# Altium PCB Power_Rail_Probe.PcbDoc (continued)
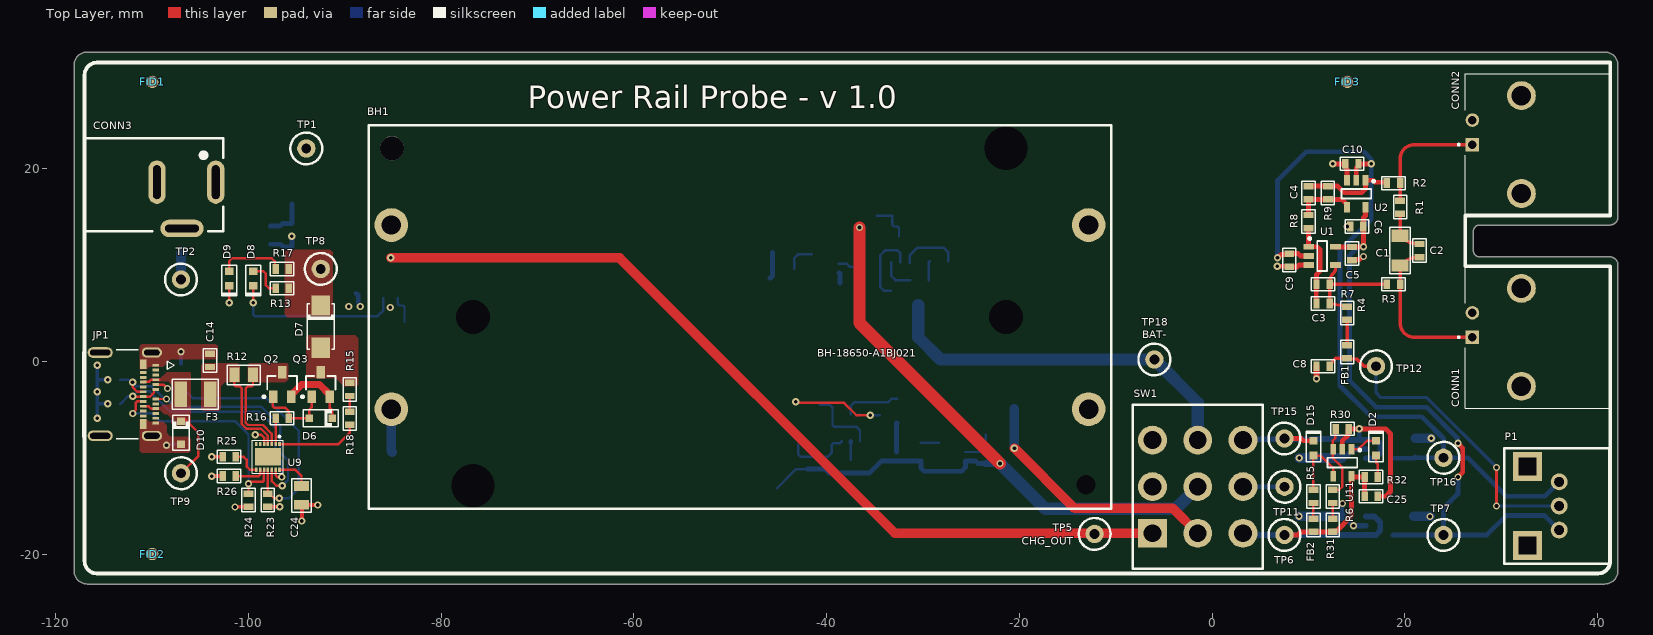
[diagram p0: Top Layer view]
## Part data
BH1: "2 Cell 18650 Battery Holder", 05_Digikey Part Number="Not Available", 06_Manufacturer=MYOUNG, 01_Componente=IC, 02_Montaje=THM, 03_Encapsulado=NA, 04_Manufacturer Part Number=BH-18650-A1BJ021, 07_Funcion="Battery Holder", ComponentLink1Description=01_Datasheet, ComponentLink1URL=https://www.lcsc.com/datasheet/C20606804.pdf?spm=wm.sxq.inf.ggs&lcsc_vid=QgdWXldRRVMIVlxRFlhXBFZfRldXX1JXQVQPBlEDEwUxVlNRQ1BfVVJRQ1VZVDsOAxUeFF5JWBYZEEoBGA4JCwFIFA4DSA%3D%3D, ComponentLink2Description=02_Digikey, ComponentLink2URL="Not Available", ComponentLink3Description=03_LCSC, ComponentLink3URL=https://www.lcsc.com/product-detail/C20606804.html
C1: library part "Capacitor NP", "0.1 µF ±2% 50V Ceramic Capacitor C0G, NP0 1206 (3216 Metric)", 04_Manufacturer Part Number=GRM3195C1H104GA05D, 05_Digikey Part Number=490-GRM3195C1H104GA05DCT-ND, 06_Manufacturer=YAGEO, 08_Tolerancia=2%, 10_Dielectrico=C0G, 01_Componente="Capacitor cerámico", 02_Montaje=SMD, 03_Encapsulado=1206, 07_Valor=100nF, 09_Tensión de trabajo=100V, ComponentLink1Description=A_Datasheet, ComponentLink1URL=https://search.murata.co.jp/Ceramy/image/img/A01X/G101/ENG/GRM3195C1H104GA05-01A.pdf, ComponentLink2Description=B_Digikey, ComponentLink2URL=https://www.digikey.com/en/products/detail/murata-electronics/GRM3195C1H104GA05D/13531987
C2 C3 C4 C5 C6 C8 C9 C10 C11 C12 C13 C14 C19 C23 C25: library part "Capacitor NP", "0.1 µF ±10% 25V Ceramic Capacitor X7R 0603 (1608 Metric)", 04_Manufacturer Part Number=CC0603KRX7R8BB104, 05_Digikey Part Number=311-1341-1-ND, 06_Manufacturer=YAGEO, 08_Tolerancia=10%, 10_Dielectrico=X7R, 01_Componente="Capacitor cerámico", 02_Montaje=SMD, 03_Encapsulado=0603, 07_Valor=100nF, 09_Tensión de trabajo=25V, ComponentLink1Description=A_Datasheet, ComponentLink2Description=B_Digikey
  C4: ComponentLink1URL=https://yageogroup.com/content/datasheet/asset/file/UPY-GPHC_X7R_6_3V-TO-250V, ComponentLink2URL=https://www.digikey.com/en/products/detail/yageo/CC0603KRX7R8BB104/2103079?s=N4IgTCBcDaIMJwAwDZEGYDSAlAGgdiwA4AhYgRkQBYQBdAXyA
  C5: ComponentLink1URL=https://yageogroup.com/content/datasheet/asset/file/UPY-GPHC_X7R_6_3V-TO-250V, ComponentLink2URL=https://www.digikey.com/en/products/detail/yageo/CC0603KRX7R8BB104/2103079
C15 C16 C17 C18 C20 C21 C22 C24: library part "Capacitor NP", "2.2 µF ±10% 25V Ceramic Capacitor X7R 0805 (2012 Metric)", 04_Manufacturer Part Number=GRM21BR71E225KE11K, 05_Digikey Part Number=490-GRM21BR71E225KE11KCT-ND, 06_Manufacturer="Murata Electronics", 08_Tolerancia=10%, 10_Dielectrico=X7R, 01_Componente="Capacitor cerámico", 02_Montaje=SMD, 03_Encapsulado=0805, 07_Valor=2u2, 09_Tensión de trabajo=25V, ComponentLink1Description=A_Datasheet, ComponentLink2Description=B_Digikey
  C18 C24: ComponentLink1URL=https://search.murata.co.jp/Ceramy/image/img/A01X/G101/ENG/GRM21BR71E225KE11-01A.pdf, ComponentLink2URL=https://www.digikey.com/en/products/detail/murata-electronics/GRM21BR71E225KE11K/10694460
CONN1 CONN2: library part "Conector BNC", "BNC Connector Jack, Female Socket 50 Ohms Panel Mount, Through Hole, Right Angle Solder", 04_Manufacturer Part Number=CONBNC002, 05_Digikey Part Number=343-CONBNC002-ND, 06_Manufacturer="TE Connectivity Linx", 01_Componente="Conector BNC", 02_Montaje=SMD, 03_Encapsulado=BNC, 07_Contactos=2, 08_Impedancia="50 Ohm", ComponentLink1Description=A_Datasheet, ComponentLink2Description=B_Digikey
  CONN1: ComponentLink1URL=https://www.te.com/commerce/DocumentDelivery/DDEController?Action=srchrtrv&DocNm=CONBNC002&DocType=Data+Sheet&DocLang=English&DocFormat=pdf&PartCntxt=CONBNC002, ComponentLink2URL=https://www.digikey.com/en/products/detail/te-connectivity-linx/CONBNC002/16013841
CONN3: library part "DC JACK", "DC JACK", 04_Manufacturer Part Number=ADC-002-1, 05_Digikey Part Number=2057-ADC-002-1-ND, 06_Manufacturer="Adam Tech", 01_Componente="DC JACK", 02_Montaje=THT, 03_Encapsulado=-, 07_Contactos=3, 08_Paso=-, ComponentLink1Description=A_Datasheet, ComponentLink1URL=https://app.adam-tech.com/products/download/data_sheet/203725/adc-002-x-data-sheet.pdf, ComponentLink2Description=B_Digikey, ComponentLink2URL=https://www.digikey.com/en/products/detail/adam-tech/ADC-002-1/21710741
D2 D8 D9 D15: library part "Diodo LED", "Diodo LEd", 04_Manufacturer Part Number=SML-D12U1WT86, 05_Digikey Part Number=SML-D12U1WT86CT-ND, 06_Manufacturer="Rohm Semiconductor", 01_Componente="Diodo Led", 02_Montaje=SMD, 03_Encapsulado=1608, ComponentLink1Description=A_Datasheet, ComponentLink1URL=https://www.rohm.com/datasheet?p=SML-D12U1W&dist=Digi-key&media=referral&source=digi-key.com&campaign=Digi-key, ComponentLink2Description=B_Digikey, ComponentLink2URL=https://www.digikey.com/en/products/detail/rohm-semiconductor/SML-D12U1WT86/5843853
D3 D7: library part "Diodo Schottky", "Diode 40 V 1A Surface Mount DO-214AC (SMA)", 04_Manufacturer Part Number=SS14-M3/5AT, 05_Digikey Part Number=SS14-M3/5ATGICT-ND, 06_Manufacturer="Vishay General Semiconductor - Diodes Division", 01_Componente="Diodo Schottky", 02_Montaje=SMD, 03_Encapsulado=DO-214AC, 07_Tensión=40V, 08_Corriente=1A, ComponentLink1Description=A_Datasheet, ComponentLink2Description=B_Digikey
  D3: ComponentLink1URL=https://mm.digikey.com/Volume0/opasdata/d220001/medias/docus/661/SS12-SS16.pdf, ComponentLink2URL=https://www.digikey.com/en/products/detail/vishay-general-semiconductor-diodes-division/SS14-M3-5AT/4872626?s=N4IgTCBcDaIMpwIwBYC0BZAzAegKwEEAVEAXQF8g
D4: library part "Diodo TVS Bidireccional", "Diodo TVS", 05_Digikey Part Number=4786-GSEC15B006CT-ND, 06_Manufacturer="Good-Ark Semiconductor", 01_Componente="Diodo TVS", 02_Montaje=SMD, 03_Encapsulado=SOD-323, 04_Manufacturer Part Number=GSEC15B006, 07_Tensión de trabajo=15V, ComponentLink1Description=A_Datasheet, ComponentLink1URL=https://goodarksemi.com/docs/datasheets/esd_tvs/GSECxB006.pdf, ComponentLink2Description=B_Digikey, ComponentLink2URL=https://www.digikey.com/en/products/detail/good-ark-semiconductor/GSEC15B006/18667511
D5 D6: library part "Diodo Zener", "Diodo Zener", 04_Manufacturer Part Number=BZT52C5V6S-7-F, 05_Digikey Part Number=BZT52C5V6S-FDICT-ND, 06_Manufacturer="Diodes Incorporated", 01_Componente="Diodo Zener", 02_Montaje=SMD, 03_Encapsulado=SOD-323, 07_Tensión de trabajo=5V6, ComponentLink1Description=A_Datasheet, ComponentLink2Description=B_Digikey
  D5: ComponentLink1URL=https://mm.digikey.com/Volume0/opasdata/d220001/medias/docus/804/BZT52C2V0S-BZT52C39S.pdf, ComponentLink2URL=https://www.digikey.com/en/products/detail/diodes-incorporated/BZT52C5V6S-7-F/804868
D10 D11 D12 D13 D14: library part "Diodo TVS Unidireccional", "Diodo TVS", 05_Digikey Part Number=4786-GSEC15B006CT-ND, 06_Manufacturer="Good-Ark Semiconductor", 01_Componente="Diodo TVS", 02_Montaje=SMD, 03_Encapsulado=SOD-323, 04_Manufacturer Part Number=GSEC15B006, 07_Tensión de trabajo=15V, ComponentLink1Description=A_Datasheet, ComponentLink2Description=B_Digikey
  D14: ComponentLink1URL=https://goodarksemi.com/docs/datasheets/esd_tvs/GSECxB006.pdf, ComponentLink2URL=https://www.digikey.com/en/products/detail/good-ark-semiconductor/GSEC15B006/18667511
F1 F2 F3 F4: library part Polyswitch, "Polymeric PTC Resettable Fuse 15V 500 mA Ih Surface Mount 1206 (3216 Metric), Concave", 05_Digikey Part Number=13-SMD1206B050TF/15CT-ND, 06_Manufacturer=YAGEO, 01_Componente=Polyswitch, 02_Montaje="Through Hole", 03_Encapsulado=1206, 04_Manufacturer Part Number=SMD1206B050TF/15, 07_Valor=500mA, ComponentLink1Description=A_Datasheet, ComponentLink2Description=B_Digikey
  F1 F3 F4: ComponentLink1URL=https://www.yageogroup.com/content/datasheet/asset/file/SMD1210_1, ComponentLink2URL=https://www.digikey.com/en/products/detail/yageo/SMD1210B075TF-24/15212934
  F2: ComponentLink1URL=https://www.yageo.com/upload/media/product/productsearch/datasheet/cpc/pptc/SMD1206_1.pdf, ComponentLink2URL=https://www.digikey.com/en/products/detail/yageo/SMD1206B050TF-15/13689651
FB1 FB2: library part "Ferrite Bead", "1 kOhms @ 100 MHz 1 Power Line Ferrite Bead 0603 (1608 Metric) 800mA 300mOhm", 05_Digikey Part Number=445-MPZ1608S102ATA00CT-ND, 06_Manufacturer="TDK Corporation", 01_Componente="Ferrite bead", 02_Montaje=SMD, 03_Encapsulado=0603, 04_Manufacturer Part Number=MPZ1608S102ATA00, 07_Valor=1k, 08_Frecuencia="100 MHz", ComponentLink1Description=A_Datasheet, ComponentLink1URL=https://product.tdk.com/en/system/files?file=dam/doc/product/emc/emc/beads/catalog/beads_commercial_power_mpz1608_en.pdf, ComponentLink2Description=B_Digikey, ComponentLink2URL=https://www.digikey.com/en/products/detail/tdk/MPZ1608S102ATA00/3078621
FID1 FID2 FID3: "Fiducial SMD", 01_Componente=Fiducial
JP1: library part "USB C 3.0", "USB-C (USB TYPE-C) USB 3.2 Gen 2 (USB 3.1 Gen 2, Superspeed + (USB 3.1)) Receptacle Connector 24 (6+18 Dummy) Position Surface Mount, Right Angle", 04_Manufacturer Part Number=1054500101, 05_Digikey Part Number=WM12856CT-ND, 06_Manufacturer=Molex, 01_Componente="Conector USB C", 02_Montaje=SMD, 03_Encapsulado="USB C", 07_Contactos=24, 08_Paso=0.50mm, ComponentLink1Description=A_Datasheet, ComponentLink1URL=https://files.edac.net/edac/content/698A/698A106-162-211%20-%20EDAC%20USB%20Connector.pdf, ComponentLink2Description=B_Digikey, ComponentLink2URL=https://www.digikey.com/en/products/detail/edac-inc/698A106-162-211/17186068
P1: library part POTENCIÓMETRO, "10k Ohm 1 Gang Linear Through Hole Potentiometer 1.0 Turns Carbon 0.05W, 1/20W PC Pins", 04_Manufacturer Part Number=RK09K1110A0J, 05_Digikey Part Number=4809-RK09K1110A0J-ND, 06_Manufacturer="Alps Alpine", 08_Tolerancia=-, 01_Componente=Potenciometer, 02_Montaje=THT, 03_Encapsulado=-, 07_Valor=10K, ComponentLink1Description=A_Datasheet, ComponentLink1URL=https://mm.digikey.com/Volume0/opasdata/d220001/medias/docus/6727/AlpsAlpine_3_4_2024_rk09k-3412491-1-9.pdf, ComponentLink2Description=B_Digikey, ComponentLink2URL=https://www.digikey.com/en/products/detail/alps-alpine/RK09K1110A0J/19529183
Q1 Q2 Q3 Q4 Q5 Q6 Q7 Q8 Q9: library part NMOS, "N-Channel MOSFET SOT-23", 04_Manufacturer Part Number=AO3414A, 05_Digikey Part Number=4518-AO3414ACT-ND, 06_Manufacturer=UMW, 01_Componente=NMOS, 02_Montaje=SMD, 03_Encapsulado=SOT-23, 07_Tensión máxima=20V, 08_Corriente máxima=4.5A, 09_Potencia máxima=1.3W, ComponentLink1Description=A_Datasheet, ComponentLink2Description=B_Digikey
  Q1: ComponentLink1URL=https://mm.digikey.com/Volume0/opasdata/d220001/medias/docus/5022/AO3414A.pdf, ComponentLink2URL=https://www.digikey.com/en/products/detail/umw/AO3414A/17635259
  Q6: ComponentLink1URL=https://goodarksemi.com/docs/datasheets/mosfets/SSF2300.pdf, ComponentLink2URL=https://www.digikey.com/en/products/detail/good-ark-semiconductor/SSF2300/18648256
R1: library part Resistor, "4.99 Ohms ±0.1% 0.1W, 1/10W Chip Resistor 0603 (1608 Metric) Thin Film", 04_Manufacturer Part Number=RT0603BRD074R99L, 05_Digikey Part Number=13-RT0603BRD074R99LCT-ND, 06_Manufacturer=YAGEO, 08_Tolerancia=0.1%, 01_Componente=Resistor, 02_Montaje=SMD, 03_Encapsulado=0603, 07_Valor=4R99, ComponentLink1Description=A_Datasheet, ComponentLink1URL=https://www.digikey.com/en/products/detail/yageo/RT0603BRD074R99L/7708336, ComponentLink2Description=B_Digikey, ComponentLink2URL=https://www.digikey.com/en/products/detail/yageo/RT0603BRD074R99L/7708336
R2: library part Resistor, "499 Ohms ±0.1% 0.167W, 1/6W Chip Resistor 0603 (1608 Metric) Automotive AEC-Q200 Thin Film", 04_Manufacturer Part Number=RNCF0603BTE499R, 05_Digikey Part Number=738-RNCF0603BTE499RCT-ND, 06_Manufacturer="Stackpole Electronics Inc", 08_Tolerancia=0.1%, 01_Componente=Resistor, 02_Montaje=SMD, 03_Encapsulado=0603, 07_Valor=499R, ComponentLink1Description=A_Datasheet, ComponentLink1URL=https://www.seielect.com/catalog/SEI-RNCF.pdf, ComponentLink2Description=B_Digikey, ComponentLink2URL=https://www.digikey.com/en/products/detail/stackpole-electronics-inc/RNCF0603BTE499R/1710134
R3 R7 R30: library part Resistor, "49.9 kOhms ±0.1% 0.167W, 1/6W Chip Resistor 0603 (1608 Metric) Automotive AEC-Q200 Thin Film", 04_Manufacturer Part Number=RNCF0603BTE49K9, 05_Digikey Part Number=738-RNCF0603BTE49K9CT-ND, 06_Manufacturer="Stackpole Electronics Inc", 08_Tolerancia=0.1%, 01_Componente=Resistor, 02_Montaje=SMD, 03_Encapsulado=0603, 07_Valor=49K9, ComponentLink1Description=A_Datasheet, ComponentLink2Description=B_Digikey
  R3 R30: ComponentLink1URL=https://www.seielect.com/catalog/SEI-RNCF.pdf, ComponentLink2URL=https://www.digikey.com/en/products/detail/stackpole-electronics-inc/RNCF0603BTE49K9/1710260
R4: library part Resistor, "2.49 kOhms ±0.1% 0.167W, 1/6W Chip Resistor 0603 (1608 Metric) Automotive AEC-Q200 Thin Film", 04_Manufacturer Part Number=RNCF0603BKE2K49, 05_Digikey Part Number=738-RNCF0603BKE2K49CT-ND, 06_Manufacturer="Stackpole Electronics Inc", 08_Tolerancia=0.1%, 01_Componente=Resistor, 02_Montaje=SMD, 03_Encapsulado=0603, 07_Valor=2K49, ComponentLink1Description=A_Datasheet, ComponentLink1URL=https://www.seielect.com/catalog/SEI-RNCF.pdf, ComponentLink2Description=B_Digikey, ComponentLink2URL=https://www.digikey.com/en/products/detail/stackpole-electronics-inc/RNCF0603BKE2K49/1710046
R5 R8 R9 R13 R14 R17 R21 R22 R32: library part Resistor, "1 kOhms ±0.1% 0.167W, 1/6W Chip Resistor 0603 (1608 Metric) Automotive AEC-Q200 Thin Film", 04_Manufacturer Part Number=RNCF0603BTE1K00, 05_Digikey Part Number=738-RNCF0603BTE1K00CT-ND, 06_Manufacturer="Stackpole Electronics Inc", 08_Tolerancia=0.1%, 01_Componente=Resistor, 02_Montaje=SMD, 03_Encapsulado=0603, 07_Valor=1k, ComponentLink1Description=A_Datasheet, ComponentLink2Description=B_Digikey
  R5 R8 R13 R14 R17 R21 R22 R32: ComponentLink1URL=https://www.seielect.com/catalog/SEI-RNCF.pdf, ComponentLink2URL=https://www.digikey.com/en/products/detail/stackpole-electronics-inc/RNCF0603BTE1K00/1710217
R6 R25 R26 R31: library part Resistor, "82 kOhms ±1% 0.1W, 1/10W Chip Resistor 0603 (1608 Metric) Automotive AEC-Q200 Thick Film", 04_Manufacturer Part Number=RMCF0603FT82K0, 05_Digikey Part Number=RMCF0603FT82K0CT-ND, 06_Manufacturer="Stackpole Electronics Inc", 08_Tolerancia=1%, 01_Componente=Resistor, 02_Montaje=SMD, 03_Encapsulado=0603, 07_Valor=82k, ComponentLink1Description=A_Datasheet, ComponentLink2Description=B_Digikey
  R6 R25 R31: ComponentLink1URL=https://www.seielect.com/catalog/SEI-RMCF_RMCP.pdf, ComponentLink2URL=https://www.digikey.com/en/products/detail/stackpole-electronics-inc/RMCF0603FT82K0/1760956
R10 R11 R15 R18 R19 R20 R28 R29: library part Resistor, 04_Manufacturer Part Number=RMCF0603FT100R, 05_Digikey Part Number=RMCF0603FT100RCT-ND, 06_Manufacturer="Stackpole Electronics Inc", 08_Tolerancia=1%, 01_Componente=Resistor, 02_Montaje=SMD, 03_Encapsulado=0603, 07_Valor=100R, ComponentLink1Description=A_Datasheet, ComponentLink1URL=https://www.seielect.com/catalog/SEI-RMCF_RMCP.pdf, ComponentLink2Description=B_Digikey, ComponentLink2URL=https://www.digikey.com/en/products/detail/stackpole-electronics-inc/RMCF0603FT100R/1761113
R12: library part Resistor, "5 mOhms ±1% 0.125W, 1/8W Chip Resistor 0805 (2012 Metric) Current Sense Metal Foil", 04_Manufacturer Part Number=PE0805FRM070R005Z, 05_Digikey Part Number=13-PE0805FRM070R005ZCT-ND, 06_Manufacturer=YAGEO, 08_Tolerancia=1%, 01_Componente=Resistor, 02_Montaje=SMD, 03_Encapsulado=0805, 07_Valor=5mR, ComponentLink1Description=A_Datasheet, ComponentLink1URL=https://mm.digikey.com/Volume0/opasdata/d220001/medias/docus/5343/PE_Series_DS.pdf, ComponentLink2Description=B_Digikey, ComponentLink2URL=https://www.digikey.com/en/products/detail/yageo/PE0805FRM070R005Z/16992204
R16 R27: library part Resistor, "10 kOhms ±1% 0.1W, 1/10W Chip Resistor 0603 (1608 Metric) Automotive AEC-Q200 Thick Film", 04_Manufacturer Part Number=RMCF0603FT10K0, 05_Digikey Part Number=RMCF0603FT10K0CT-ND, 06_Manufacturer="Stackpole Electronics Inc", 08_Tolerancia=1%, 01_Componente=Resistor, 02_Montaje=SMD, 03_Encapsulado=0603, 07_Valor=10k, ComponentLink1Description=A_Datasheet, ComponentLink2Description=B_Digikey
  R27: ComponentLink1URL=https://www.seielect.com/catalog/SEI-RMCF_RMCP.pdf, ComponentLink2URL=https://www.digikey.com/en/products/detail/stackpole-electronics-inc/RMCF0603FT10K0/1761235
R23 R24: library part Resistor, "5.1 kOhms ±1% 0.1W, 1/10W Chip Resistor 0603 (1608 Metric) Automotive AEC-Q200 Thick Film", 04_Manufacturer Part Number=RMCF0603FT5K10, 05_Digikey Part Number=RMCF0603FT5K10CT-ND, 06_Manufacturer="Stackpole Electronics Inc", 08_Tolerancia=1%, 01_Componente=Resistor, 02_Montaje=SMD, 03_Encapsulado=0603, 07_Valor=5k1, ComponentLink1Description=A_Datasheet, ComponentLink2Description=B_Digikey
  R23: ComponentLink1URL=https://www.seielect.com/catalog/SEI-RMCF_RMCP.pdf, ComponentLink2URL=https://www.digikey.com/en/products/detail/stackpole-electronics-inc/RMCF0603FT5K10/1760908
SW1: library part "Interruptor 3PDT", "Slide Switch 3PDT Through Hole", 04_Manufacturer Part Number=1003P1T1B1M2QEH, 05_Digikey Part Number=EG2425-ND, 06_Manufacturer="CW Industries", 01_Componente=Switch, 02_Montaje=THT, 03_Encapsulado=NA, ComponentLink1Description=01_Digikey, ComponentLink1URL=https://www.digikey.com/en/products/detail/e-switch/1003P1T1B1M2QEH/378894, ComponentLink2Description=02_Datasheet, ComponentLink2URL=https://configured-product-images.s3.amazonaws.com/Datasheets/100.pdf
TP1 TP2 TP4 TP5 TP6 TP7 TP8 TP9 TP10 TP11 TP12 TP13 TP15 TP16 TP17 TP18: library part TestPoint_SMD, "Testpoint", 04_Manufacturer Part Number=NA, 01_Componente=Test_Point, 02_Montaje=THT, 03_Encapsulado=NA, 05_Digikey Part Number=NA, ComponentLink1Description=A_Datasheet, ComponentLink1URL=NA, ComponentLink2Description=B_Digikey, ComponentLink2URL=NA
U1 U2 U11: library part OPA354, "Voltage Feedback Amplifier 1 Circuit Rail-to-Rail SOT-23-5", 05_Digikey Part Number=296-26279-1-ND, 06_Manufacturer="Texas Instruments", 01_Componente=OPA354AIDBVR, 02_Montaje=SMD, 03_Encapsulado=SOIC_8, 04_Manufacturer Part Number=OPA354AIDBVR, ComponentLink1Description=A_Datasheet, ComponentLink1URL=https://www.ti.com/general/docs/suppproductinfo.tsp?distId=10&gotoUrl=https%3A%2F%2Fwww.ti.com%2Flit%2Fgpn%2Fopa354, ComponentLink2Description=B_Digikey, ComponentLink2URL=https://www.digikey.com/en/products/detail/texas-instruments/OPA354AIDBVR/1572536
U3 U6: "Battery Battery Protection IC Lithium Ion SOT-23-6", 04_Manufacturer Part Number=DW01, 05_Digikey Part Number=5399-DW01CT-ND, 06_Manufacturer="Shenzhen Slkormicro Semicon Co., Ltd.", 01_Componente=IC, 02_Montaje=SMD, 03_Encapsulado=SOT_23-6, 07_Funcion="Protector 1S", ComponentLink1Description=01_Datasheet, ComponentLink1URL=https://mm.digikey.com/Volume0/opasdata/d220001/medias/docus/6808/DW01%20SOT-23-6.PDF, ComponentLink2Description=02_Digikey, ComponentLink2URL=https://www.digikey.com/en/products/detail/shenzhen-slkormicro-semicon-co-ltd/DW01/26601036
U4: "LDO Fixed 2V5 250mA Ultra-Low Noise SOT-23-5", 05_Digikey Part Number=488-NCP163ASN250T1GCT-ND, 06_Manufacturer="Texas Instruments", 01_Componente=LDO, 02_Montaje=SMD, 03_Encapsulado=SOT_23-5, 04_Manufacturer Part Number=NCP163ASN250T1G, 07_Tensión nominal=3V3, 08_Corriente de salida="300 mA", 09_Potencia de salida=1W, ComponentLink1Description=A_Datasheet, ComponentLink1URL=https://www.onsemi.com/pdf/datasheet/ncp163-d.pdf, ComponentLink2Description=B_Digikey, ComponentLink2URL=https://www.digikey.com/es/products/detail/onsemi/NCP163ASN250T1G/9694659
U5 U8: "Balanceador de carga", 05_Digikey Part Number=NE, 06_Manufacturer="Hycon Technology", 01_Componente=IC, 02_Montaje=SMD, 03_Encapsulado=SOT_23-6, 04_Manufacturer Part Number=HY2213, 07_Funcion="Balanceador de carga", ComponentLink1Description=01_Datasheet, ComponentLink1URL=https://www.hycontek.com/hy_battery/DS-HY2213_EN.pdf, ComponentLink2Description=02_Digikey, ComponentLink2URL=NE
U7: "Battery Charger IC", 04_Manufacturer Part Number=MCP73213T-A6SI/MF, 05_Digikey Part Number=MCP73213T-A6SI/MFCT-ND, 06_Manufacturer="Microchip Technology", 01_Componente="Cargador de batería", 02_Montaje=SMD, 03_Encapsulado=DFN-10, ComponentLink1Description=Datasheet, ComponentLink1URL=https://ww1.microchip.com/downloads/en/devicedoc/20002190c.pdf, ComponentLink2Description=Digikey, ComponentLink2URL=https://www.digikey.com/en/products/detail/microchip-technology/MCP73213T-A6SI-MF/2126117
U9: library part AP33771C, "USB, Type-C Controller PMIC W-DFN3030-14 (Type A1)", 05_Digikey Part Number=31-AP33771CFBZ-13-FA01CT-ND, 06_Manufacturer="Microchip Technology", 01_Componente="Controlador USB-C", 02_Montaje=SMD, 03_Encapsulado=W-DFN3030-14, 04_Manufacturer Part Number=AP33771CFBZ-13-FA01, ComponentLink1Description=Datasheet, ComponentLink1URL=https://www.diodes.com/datasheet/download/AP33771C.pdf, ComponentLink2Description=Digikey, ComponentLink2URL=https://www.digikey.com/en/products/detail/diodes-incorporated/AP33771CFBZ-13-FA01/24384228?s=N4IgjCBcpgnAHLKoDGUBmBDANgZwKYA0IA9lANogAMIAugL7EC0ArMiGpFnkaRSACY69RoP4BBAAoBmaQHY5EWsQBs7AJYATKCCZgqEYgAcALjpDETATyP4dmXGhFA
U10: "LDO Fixed -2V5 250mA Ultra-Low Noise SOT-23-5", 05_Digikey Part Number=505-ADP7183ACPZN-R7CT-ND, 06_Manufacturer="Texas Instruments", 01_Componente=LDO, 02_Montaje=SMD, 03_Encapsulado=SOT_23-5, 04_Manufacturer Part Number=ADP7183ACPZN-R7, 07_Tensión nominal=3V3, 08_Corriente de salida="300 mA", 09_Potencia de salida=1W, ComponentLink1Description=A_Datasheet, ComponentLink1URL=https://www.onsemi.com/pdf/datasheet/ncp163-d.pdf, ComponentLink2Description=B_Digikey, ComponentLink2URL=https://www.analog.com/media/en/technical-documentation/data-sheets/ADP7183.pdf

## Via types
v1: diameter 0.762, hole 0.381, Top Layer to Bottom Layer, 54 vias

## Nets (pads, with @x,y where several pads share a name; then routed paths per layer and width w, separated by ;. In a path a pad name is that pad's centre, name@x,y a point inside that pad or via, vN(x,y) a via of type N, cw(c..) or ccw(c..) an arc to the next point about the centre after c; other vN are vias at no path point)
2V5: C5.1 C6.1 C15.2 P1.3 TP7.1 U1.5 U2.5 U4.5 | length 65.5
  Top Layer w0.5: U1.5 12.822,11.872 C5.1 15.672,11.872 v1(15.7,11.9) 15.686,11.914 C6.1 15.686,14.886 15.9,15.1 U2.5 ; v1(25.5,-12) 26,-11.5 26,-9 v1(25.5,-8.5)
  Bottom Layer w0.5: v1(15.7,11.9) 15.675,11.875 15.125,11.875 14.25,11 14.25,-2 17,-4.75 22.25,-4.75 25.45,-7.95 25.45,-8.45 v1(25.5,-8.5) ; U4.5 18.744,-18.015 C15.2 20.95,-18 TP7.1 ; v1(25.5,-12) 25.5,-13.75 24,-15.25 TP7.1 ; P1.3 34.5,-16 30.5,-16 28.5,-18 TP7.1
-2V5: C9.1 C10.1 C22.1 P1.1 TP16.1 U1.2 U2.2 U10.5 | length 85.4
  Top Layer w0.5: v1(6.767,10.767) 6.838,10.767 7.176,11.106 7.92,11.106 C9.1 8.914,11.186 9.15,10.95 U1.2 ; U2.2 14.95,20.086 15.186,20.322 C10.1 v1(16.5,20.5)
  Bottom Layer w0.5: v1(6.767,10.767) 6.767,18.767 9.75,21.75 15.75,21.75 16.5,21 v1(16.5,20.5) 16.5,14.75 13.25,11.5 13.25,-2.5 16.5,-5.75 21.75,-5.75 24,-8 TP16.1 ; U10.5 20.93,-10.05 C22.1 21.15,-10 TP16.1 ; P1.1 34.5,-14 30.5,-14 26.5,-10 TP16.1
AUX: C11.2 D3.A D4.K F1.1 R27.2 TP1.1
BAT1_NEG: BH1.N1 C12.1 Q6.3 TP10.1 U3.6 | length 14.9
  Top Layer w0.254: v1(-43.2,-4.2) -43.103,-4.297 -42.8,-4.297 -42.797,-4.3 -38.2,-4.3 -36.914,-5.586 v1(-35.484,-5.586)
  Bottom Layer w0.254: U3.6 -36.467,-5.586 v1(-35.484,-5.586) C12.1
  Bottom Layer w1: BH1.N1 -85.175,-9.325 TP10.1
BAT1_POS: F2.2 R10.2 R11.2 R28.2 SW1.2 TP4.1 | length 26.8
  Top Layer w1: v1(-20.524,-9.004) -14.278,-15.25 -4.08,-15.25 SW1.2
  Bottom Layer w1: v1(-20.524,-9.004) F2.2
BAT2_NEG: BH1.N2 C19.1 Q9.3 TP17.1 U6.6
BAT2_POS: C13.1 F4.2 Q4.2 Q5.3 R14.1 R19.2 R20.2 R29.2 SW1.5 TP13.1 U5.3 | length 80.4
  Top Layer w1.27: v1(-36.6,13.9) -36.6,4 v1(-22.014,-10.586)
  Bottom Layer w0.254: TP13.1@-45.157,-13.157 -43.17,-11.17 Q5.3
  Bottom Layer w0.5: Q5.3 -40.13,-11.17 -39.714,-11.586 R14.1 -35.586,-11.586 -34.35,-10.35 Q4.2 -30.23,-11.07 -29.9,-11.4 -26,-11.4 -25.603,-11.003 U5.3 -24.55,-10.35 -24.314,-10.586 C13.1
  Bottom Layer w0.75: C13.1 v1(-22.014,-10.586)
  Bottom Layer w1.27: v1(-22.014,-10.586) -17.3,-15.3 -3.8,-15.3 SW1.5
BAT-: C23.1 Q7.2 Q8.3 R22.1 SW1.8 TP18.1 U8.3 | length 40.3
  Bottom Layer w0.5: U8.3 -38.685,9.2 -38.635,9.15 -38.635,8.15
  Bottom Layer w1.27: Q8.3 -30.5,2.5 -28.2,0.2 TP18.1 ; TP18.1@-6.1,0.3 -1.503,-4.297 -1.503,-8.167 SW1.8
GND_USB: C14.1 C18.1 C24.1 D5.A D9.K D10.A D11.A D12.A D13.A D14.A JP1.A1 JP1.A12 JP1.B1 JP1.B12 JP1.SH Q1.2 R21.1 R23.1 R24.1 R25.1 R26.1 SW1.7 U7.8 U7.9 U9.5 | length 27.3
  Top Layer w0.254: v1(-102,6.1) D9.K ; v1(-99.3,-7.616) -99.284,-7.6 -98.7,-7.6 -98.385,-7.915 U9.5
  Top Layer w0.4: v1(-103.8,-11.9) R26.1 ; v1(-103.8,-9.9) R25.1 ; v1(-101.4,-15.1) -101.386,-15.086 R24.1 ; R23.1 -96.774,-15.086 v1(-96.772,-15.089) ; C24.1 C24.1@-94.465,-14.9 ; v1(-94.465,-16.565) C24.1@-94.465,-14.9 ; v1(-92.8,-14.9) C24.1@-94.465,-14.9
  Bottom Layer w0.254: C18.1 -88.935,7.135 C18.1@-88.8,7
  Bottom Layer w0.4: v1(-115.7,-5.9) D11.A ; v1(-115.7,-0.4) D12.A ; v1(-114.6,-4.4) D11.A ; v1(-114.6,-1.9) D12.A ; v1(-108.5,-8.7) -108.402,-8.7 -108.302,-8.6 D14.A ; D13.A v1(-107,1) ; D11.A v1(-115.7,-3.15) D12.A
  Bottom Layer w0.5: Q1.2 -96.65,12.15 -96.4,11.9 D5.A v1(-95.5,13) ; C18.1@-88.8,7 -88.733,7 -88.609,6.877 -88.609,6.08 -88.531,6.002 -88.531,5.902 -88.4,5.771 v1(-88.4,5.7)
  other v1: -85.3,5.6 -89.6,5.7
INPUT: C1.1 C2.2 CONN1.1 R3.2 | length 16.6
  Top Layer w0.349: C2.2 21.416,10.814 ccw(c21.416,8.274) 19.62,10.07 C1.1 R3.2 19.5,4 ccw(c21,4) 21,2.5 CONN1.1
NetBH1_P1: BH1.P1 F2.1
NetBH1_P2: BH1.P2 F4.1
NetC1_2: C1.2 C2.1 R1.1 | length 4.5
  Top Layer w0.349: R1.1 C1.2 19.62,12.93 ccw(c21.416,14.726) 21.416,12.186 C2.1
NetC3_1: C3.1 R7.2 R8.1 U1.1 | length 9
  Top Layer w0.5: R8.1 U1.1 10.9,11.9 11.2,11.6 11.2,9.4 10.814,9.014 R7.2 10.8,7.986 10.8,6 C3.1
NetC3_2: C3.2 R3.1 R4.2 R7.1 U1.4 | length 12.1
  Top Layer w0.349: C3.2@12.3,5.9 C3.2@12.203,5.997 ; U1.4 12.794,9.668 cw(c12.132,9.668) 12.6,9.2 ccw(c13.6,8.2) 12.186,8.2 R7.1 ; R4.2 13.667,5.744 12.341,5.973 C3.2@12.203,5.997 ; R3.1 R7.1 ; C3.2 C3.2@12.203,5.997 ; C3.2 12.2,6 C3.2@12.203,5.997 ; C3.2 R7.1
NetC4_1: C4.1 R2.1 R9.2 U2.1 | length 9.6
  Top Layer w0.5: C4.1 R9.2 13.014,18.186 13.7,17.5 15.5,17.5 15.9,17.9 U2.1 16.706,18.794 16.9,18.6 18.048,18.6 18.128,18.52 R2.1
NetC4_2: C4.2 R8.2 R9.1 U2.4 | length 6.1
  Top Layer w0.5: R8.2 C4.2 13.436,16.814 13.95,16.3 13.95,16.05 U2.4
NetC12_2: C12.2 R28.1 U3.5 | length 6
  Bottom Layer w0.254: U3.5 -37.5,-4.6 -37.114,-4.214 -33.597,-4.214 -33.248,-3.866 -32.72,-3.866 R28.1
NetC13_2: C13.2 R11.1 U5.2 | length 3.9
  Bottom Layer w0.254: U5.2 -23.5,-9.4 C13.2 R11.1
NetC14_2: C14.2 F3.1 R12.2 U9.4 | length 9.8
  Top Layer w0.254: R12.2 -101.465,-2.451 -101.316,-2.6 -100.9,-2.6 -100.7,-2.8 -100.7,-6.5 -100.219,-6.981 -98.719,-6.981 -98,-7.7 -98,-8.296 -97.996,-8.3 -97.996,-8.384 -97.993,-8.387 -97.993,-8.579 -97.986,-8.586 U9.4
NetC19_2: C19.2 R29.1 U6.5 | length 4.2
  Bottom Layer w0.254: R29.1 C19.2 -33.186,14.186 -33,14 -32.649,14 -32.5,13.851 U6.5
NetC23_2: C23.2 R20.1 U8.2 | length 3.7
  Bottom Layer w0.254: U8.2 -38.664,10.15 -38.644,10.129 -37.914,10.129 -37.621,9.836 C23.2 R20.1
NetC24_2: C24.2 U9.14 | length 3.6
  Top Layer w0.254: U9.14 -95.175,-11.225 -94.5,-11.9 C24.2
NetCONN3_1: CONN3.1 F1.2
NetD2_A: D2.A R32.2 | length 2.3
  Top Layer w0.254: D2.A 17,-10.5 17.186,-10.686 R32.2
NetD2_K: D2.K U11.1 | length 2.9
  Top Layer w0.254: U11.1 15.197,-9.103 16.062,-8.238 D2.K
NetD5_K: D5.K Q1.1 R27.1 | length 4.4
  Bottom Layer w0.254: R27.1@-95.5,16.35 R27.1
  Bottom Layer w0.5: Q1.1 -96.75,14.05 -96.5,14.3 D5.K R27.1@-95.5,16.35
NetD6_A: D6.A Q2.1 Q3.1 R16.2 | length 8.1
  Top Layer w0.254: Q2.1 -97.5,-3.72 -97.5,-4.651 -97.351,-4.8 -96.2,-4.8 -95.814,-5.186 R16.2 D6.A -93.7,-5 -93.45,-4.75 Q3.1
NetD6_K: D6.K Q2.2 Q3.2 | length 7.6
  Top Layer w0.254: Q3.2 -91.55,-4.85 -91.3,-5.1 D6.K
  Top Layer w0.75: Q2.2 -95.481,-3.601 -95.481,-3.41 -94.477,-2.406 -92.624,-2.406 -91.62,-3.41 -91.62,-3.601 Q3.2
NetD7_A: D7.A Q3.3 R15.2
NetD8_A: D8.A R13.1 | length 3.7
  Top Layer w0.254: D8.A -98.462,9.362 -98.2,9.1 -98.2,7.9 -97.9,7.6 R13.1
NetD8_K: D8.K U7.7 | length 18.2
  Top Layer w0.254: v1(-99.5,6.1) D8.K D8.K@-99.5,8
  Bottom Layer w0.254: v1(-99.5,6.1) -99.5,4.849 -99.351,4.7 -86.6,4.7 -86,5.3 U7.7
NetD9_A: D9.A R17.1 | length 6.9
  Top Layer w0.254: D9.A -102,10.4 -101.7,10.7 -97.6,10.7 -97.25,10.35 -97.25,9.6 R17.1
NetD15_A: D15.A R5.2 U11.4 | length 6.8
  Top Layer w0.254: R5.2@10.5,-13.128 D15.A 10.538,-9.8 11.3,-9.8 12.55,-11.05 U11.4
NetFB1_2: FB1.2 R4.1 | length 2.6
  Top Layer w0.349: FB1.2 R4.1
NetFB2_1: FB2.1 R5.1 | length 1.8
  Top Layer w0.254: FB2.1 R5.1@10.5,-14.5
NetQ2_3: Q2.3 R12.1 U9.3 | length 9.8
  Top Layer w0.254: R12.1 -99.535,-2.451 -99.684,-2.6 -100.1,-2.6 -100.3,-2.8 -100.3,-6.361 -100.061,-6.6 -98.5,-6.6 -97.6,-7.5 -97.6,-8.3 -97.593,-8.307 -97.593,-8.567 U9.3
NetQ4_1: Q4.1 U5.6 | length 1.8
  Bottom Layer w0.254: Q4.1 U5.6
NetQ4_3: Q4.3 R10.1 | length 3.1
  Bottom Layer w0.5: Q4.3 -32.77,-6.4 R10.1@-32.686,-6.4
NetQ5_1: Q5.1 U3.3 | length 6.8
  Bottom Layer w0.254: Q5.1 -42.95,-9.65 -42.7,-9.9 -39.9,-9.9 -39.5,-9.5 -39.5,-8.649 -39.351,-8.5 -38.623,-8.5 -38.45,-8.327 U3.3
NetQ5_2: Q5.2 Q6.2
NetQ6_1: Q6.1 U3.1 | length 7.5
  Bottom Layer w0.254: Q6.1 -40.68,-4.5 -39.7,-4.5 -39.4,-4.8 -39.4,-6.6 -39.2,-6.8 -36.9,-6.8 -36.55,-7.15 U3.1
NetQ7_1: Q7.1 U8.6 | length 3.1
  Bottom Layer w0.254: Q7.1 -43.365,10.72 -42.985,11.1 U8.6
NetQ7_3: Q7.3 R19.1 | length 2.8
  Bottom Layer w0.5: Q7.3 -45.83,8.65 -45.635,8.845 R19.1
NetQ8_1: Q8.1 U6.3 | length 3.6
  Bottom Layer w0.254: U6.3@-33.306,10.268 -33.306,8.861 -32.88,8.435 Q8.1@-31.306,8.435
NetQ8_2: Q8.2 Q9.2 | length 2
  Bottom Layer w0.254: Q8.2@-29.406,8.435 -29.406,10.295 Q9.2@-29.306,10.395
NetQ9_1: Q9.1 U6.1 | length 6.2
  Bottom Layer w0.254: U6.1@-31.396,10.253 -31.406,10.263 -31.406,10.268 -31.406,11.005 -30.634,11.777 -27.84,11.777 -27.406,11.343 Q9.1@-27.406,10.395
NetR6_1: R6.1 R30.2 U11.3 | length 7.7
  Top Layer w0.254: R6.1 13.186,-13.314 13.5,-13 13.5,-11 12.5,-10 12.5,-9.153 U11.3 12.55,-8.8 12.5,-8.75 12.5,-8.25 12.75,-8 12.75,-7.064 R30.2
NetR6_2: R6.2 R31.1 | length 1.6
  Top Layer w0.254: R31.1 R6.2
NetR14_2: R14.2 U3.2 | length 1.9
  Bottom Layer w0.254: R14.2 U3.2@-37.5,-8.4
  Bottom Layer w0.5: U3.2@-37.5,-8.4 U3.2
NetR15_1: R15.1 R18.2 | length 1.6
  Top Layer w0.254: R18.2 R15.1
NetR16_1: R16.1 U9.2 | length 2.7
  Top Layer w0.254: U9.2 R16.1
NetR18_1: R18.1 U9.1 | length 8.6
  Top Layer w0.254: U9.1 -90.675,-8.575 -89.5,-7.4 R18.1
NetR21_2: R21.2 U7.10 | length 3
  Bottom Layer w0.254: U7.10 -84.5,5.949 -84.351,5.8 -83.963,5.8 -83.814,5.651 R21.2
NetR22_2: R22.2 U6.2 | length 7.9
  Bottom Layer w0.254: R22.2@-33.356,7.351 -34.081,7.351 -34.444,7.713 -34.444,11.015 -33.936,11.523 -32.666,11.523 -32.356,11.213 U6.2@-32.356,10.268
NetR25_2: R25.2 U9.8 | length 3.1
  Top Layer w0.254: R25.2 -100.5,-9.9 -100.2,-10.2 -100.2,-10.9 -99.875,-11.225 U9.8
NetR26_2: R26.2 U9.9 | length 3.1
  Top Layer w0.254: R26.2 -98.942,-11.9 -98.793,-11.751 -98.793,-11.233 U9.9
NetSW1_1: SW1.1 TP5.1 U7.3 U7.4 | length 91
  Top Layer w1: v1(-85.25,10.75) -61.5,10.75 -32.92,-17.83 SW1.1@-6.086,-17.83
OFFSET: C8.2 FB1.1 P1.2 TP12.1 | length 35.9
  Top Layer w0.349: C8.2 12.186,-0.322 12.822,0.314 FB1.1 14.064,0.25 15,0.25 15.75,-0.5 TP12.1 TP12.1@17,-0.372 ; C8.2@12.314,-0.686 C8.2@12.343,-0.657 ; v1(29.5,-15) v1(29.5,-11)
  Bottom Layer w0.349: TP12.1 17,-3.25 17.5,-3.75 22.25,-3.75 v1(29.5,-11) ; v1(29.5,-15) P1.2 35.5,-14.5 P1.2@36,-14.5
OUTPUT: CONN2.1 R1.2 R2.2 | length 12.7
  Top Layer w0.349: R1.2 R2.2 19.5,21 cw(c21,21) 21,22.5 CONN2.1
PGND: C11.1 CONN3.2 D4.A Q1.3 TP2.1 | length 3
  Bottom Layer w1: TP2.1 -107,11.2 -106.8,11.4
SGND: C5.2 C6.2 C8.1 C9.2 C10.2 C15.1 C16.1 C17.1 C20.2 C21.2 C22.2 CONN1.2 CONN2.2 SW1.6 TP11.1 U1.3 U2.3 U4.2 U10.2 | length 33.2
  Top Layer w0.5: v1(6.75,9.878) C9.2@7.936,9.878 ; C9.2 8.014,9.8 8.8,9.8 9,10 U1.3 ; v1(12.5,20.5) C10.2 ; C10.2@13.894,20.5 C10.2 ; U2.3 14,19.949 13.894,20.055 13.894,20.242 13.814,20.322 C10.2 ; v1(14.008,14) C6.2 ; C5.2 14.58,10.58 15.276,10.58 15.457,10.761 15.498,10.761 15.629,10.892 v1(15.7,10.892)
  Top Layer w0.6: v1(10.814,-1.786) C8.1
  Bottom Layer w0.5: SW1.6 TP11.1 ; C20.2 13.693,-9.757 C20.2@13.993,-9.757 ; v1(13.516,-14.75) 13.5,-14.766 13.5,-16.02 C17.1 C17.1@13.689,-16.085
  Bottom Layer w0.6: C17.1@13.689,-16.085 v1(14.654,-17.05) U4.2 ; C20.2@13.993,-9.757 14.65,-9.1 U10.2
  Bottom Layer w1: TP11.1 TP11.1@7.609,-13.109 ; v1(9.007,-16.077) 10.427,-16.077 C16.1 C17.1 ; v1(9.015,-10.015) C21.2 C20.2 ; C15.1 v1(22.6,-16.085) ; C22.2 v1(22.73,-7.985)
USB_CC1: D13.K JP1.A5 R23.2 U9.11 | length 29.5
  Top Layer w0.254: JP1.A5 -108.802,-2.4 -108.399,-2.803 v1(-108.399,-2.808) ; R23.2@-98,-13.896 R23.2 ; U9.11 -97.996,-11.236 -97.996,-11.555 -98,-11.559 R23.2 ; v1(-96.8,-14.2) -96.803,-14.197 -97.339,-14.197 -97.822,-13.714 R23.2
  Bottom Layer w0.254: v1@-108.388,-2.808 -107.208,-2.808 D13.K -105.8,-3.8 -98.2,-3.8 -94.8,-7.2 -94.8,-13.2 -95.803,-14.203 -96.797,-14.203 v1(-96.8,-14.2)
USB_CC2: D14.K JP1.B5 R24.2 U9.10 | length 24
  Top Layer w0.254: v1(-112,-5.4) -112,-5.297 -111.7,-4.997 -111.7,-4.3 -111.55,-4.15 JP1.B5 ; R24.2 v1(-100,-12.7) -99.8,-12.5 -98.545,-12.5 -98.396,-12.351 -98.396,-11.416 -98.393,-11.413 -98.393,-11.233 U9.10
  Bottom Layer w0.254: v1(-112,-5.4) -110,-5.4 -109.2,-6.2 D14.K -101.4,-6.2 -100,-7.6 v1(-100,-12.7)
USB_D_N: D12.K JP1.A7 JP1.B7 U9.12 | length 30.7
  Top Layer w0.254: v1@-112,-2.2 -111.992,-2.208 -111.992,-2.708 -111.55,-3.15 JP1.B7 ; JP1.A7 -109.5,-3.9 v1(-108.5,-3.9) ; U9.12 -97.585,-12.415 -97.1,-12.9 v1(-96.5,-12.9)
  Bottom Layer w0.254: D12.K -112.43,-1.9 -112.157,-2.173 v1(-112.027,-2.173) -111.608,-2.592 -110.048,-2.592 -108.837,-3.803 -108.597,-3.803 v1(-108.5,-3.9) -107.708,-4.692 -98.69,-4.692 -96.692,-6.69 -96.692,-8.3 -96.692,-9.5 -95.9,-10.292 -95.9,-12.3 v1(-96.5,-12.9)
USB_D_P: D11.K JP1.A6 JP1.B6 U9.13 | length 27.8
  Top Layer w0.254: v1(-112,-3.6) -111.923,-3.677 -111.321,-3.677 -111.316,-3.672 -110.937,-3.672 JP1.B6 -110.223,-3.65 -109.992,-3.419 -109.985,-3.419 -109.805,-3.239 -109.805,-2.922 -109.783,-2.9 JP1.A6 ; U9.13 -97.185,-11.815 -97,-12 v1(-96.535,-12)
  Bottom Layer w0.254: D11.K -112.535,-3.635 -112.04,-3.635 v1@-112,-3.595 ; v1(-112,-3.6) v1@-112,-3.595 ; v1(-96.535,-12) -96.535,-10.375 -97.2,-9.71 -97.2,-9.5 -97.2,-8.3 -97.2,-6.9 -98.9,-5.2 -108.158,-5.2 -110.258,-3.1 -111.505,-3.1 v1@-112,-3.595
Vcc: C16.2 C17.2 C25.1 FB2.2 R31.2 R32.1 SW1.3 TP6.1 U4.1 U4.3 U11.5 | length 32.4
  Top Layer w0.5: TP6.1 8.9,-18 9.214,-17.686 FB2.2 R31.2 12.58,-17.606 12.894,-17.606 14.45,-16.05 14.45,-11.95 U11.5 ; U11.5@14.553,-12 R32.1 C25.1
  Bottom Layer w0.6: SW1.3 3.37,-18 TP6.1 10.18,-18 10.3,-17.88 C16.2 C17.2 13.45,-18 U4.1 16.985,-18 17.435,-17.55 17.435,-16.685 16.85,-16.1 U4.3
VCC_USB: D10.K F3.2 JP1.A4 JP1.A9 JP1.B4 JP1.B9 TP9.1 | length 10.1
  Top Layer w0.254: JP1.B4 -110.364,-4.65 -110.114,-4.9 JP1.A9 ; JP1.B9 -110.915,-2.143 -110.929,-2.129 -110.329,-2.129 -110.1,-1.9 JP1.A4 -109.265,-1.9 ; TP9.1 -105.2,-9.8 -105.2,-7.4 -106.596,-6.004
Vee: C20.1 C21.1 C25.2 D15.K R30.1 SW1.9 TP15.1 U10.1 U10.3 U11.2 | length 36.4
  Top Layer w0.5: TP15.1 9.2,-8 9.438,-8.238 D15.K ; U11.2 13.5,-8.25 14.106,-7.644 14.106,-7.08 R30.1 v1(15.25,-7) 18,-7 18.5,-7.5 18.5,-13.5 18,-14 C25.2
  Bottom Layer w0.5: v1(15.25,-7) 15.25,-8.015 15.385,-8.15
  Bottom Layer w0.6: SW1.9 3.285,-8.085 TP15.1@7.5,-8.085 ; TP15.1 TP15.1@7.5,-8.039 ; C21.1@10.3,-8.22 C21.1 ; C20.1 13.5,-8.15 15.385,-8.15 U10.3 17.035,-8.15 17.435,-8.55 17.435,-9.55 16.935,-10.05 U10.1 ; C20.1@13.435,-8.05 10.435,-8.05 C21.1 ; TP15.1@7.5,-8.085 TP15.1@7.546,-8.085 ; TP15.1@7.5,-8.085 TP15.1@7.5,-8.039 ; TP15.1@7.5,-8.085 7.5,-8.111 7.51,-8.121 TP15.1@7.546,-8.085 ; TP15.1@7.5,-8.039 TP15.1@7.546,-8.085 ; TP15.1@7.546,-8.085 C21.1
VSUM: C18.2 D3.K D7.K R13.2 R17.2 TP8.1 U7.1 U7.2
pads on no net: BH1. CONN1.S1 CONN1.S2 CONN2.S1 CONN2.S2 CONN3.3 FID1.1 FID2.1 FID3.1 JP1.A2 JP1.A3 JP1.A8 JP1.A10 JP1.A11 JP1.B2 JP1.B3 JP1.B8 JP1.B10 JP1.B11 P1.CASE SW1.4 U3.4 U4.4 U5.1 U5.4 U5.5 U6.4 U7.5 U7.6 U8.1 U8.4 U8.5 U9.6 U9.7 U9.PAD U10.4

## Polygon pours and split planes (outlines as drawn)
NetSW1_1 on Bottom Layer "NONET_L-01_P-001" (solid, pour order 36): -85.65,9.325 -84.85,9.325 -84.85,11.05 -85,11.2 -85.5,11.2 -85.65,11.05 -85.65,9.975
BAT1_POS on Bottom Layer "NONET_L-01_P-001" (solid, pour order 2): -19.889,-3.2 -31.644,-3.2 -31.644,-6.7 -19.889,-6.7
BAT- on Bottom Layer "NONET_L-01_P-001" (solid, pour order 29): -44,8.145 -39.3,8.145 -39.3,9.488 -39.288,9.5 -38.188,9.5 -38.188,8.9 -38.082,8.794 -36.127,8.794 -36.127,8.134 -34.458,6.465 -30.056,6.465 -30.056,5.195 -34.983,5.195 -37.044,7.256 -44,7.256
GND_USB on Bottom Layer "NONET_L-01_P-001" (solid, pour order 27): -84.85,6.875 -85.65,6.875 -85.65,3.55 -85.5,3.4 -84.9,3.4 -84.85,3.45
GND_USB on Bottom Layer "NONET_L-01_P-001" (solid, pour order 26): -90,7.7 -90.2,7.5 -90.2,5.5 -90,5.3 -88,5.3 -87.8,5.5 -87.8,7.5 -88,7.7
NetCONN3_1 on Bottom Layer "NONET_L-01_P-001" (solid, pour order 12): -104.75,23.35 -104.25,23.85 -100,23.85 -99.75,23.6 -99.75,20.6 -100,20.35 -101.25,20.35 -102,19.6 -102,16.6 -102.5,16.1 -104.25,16.1 -104.75,16.6
Vcc on Bottom Layer "NONET_L-01_P-001" (solid, pour order 15): -90.25,8.35 -86.25,8.35 -85.85,8.75 -85.85,9.35 -85.85,10.2 -86.25,10.6 -90.75,10.6 -91.25,11.1 -91.25,13.85 -91.5,14.1 -93.5,14.1 -93.75,13.85 -93.75,9.1 -93,8.35
PGND on Bottom Layer "NONET_L-01_P-001" (solid, pour order 14): -105.3,23.4 -105.7,23.8 -110.6,23.8 -111,23.4 -111,11.1 -110.4,10.5 -99.85,10.5 -99.2,11.15 -99.2,19.9 -100,19.9 -101,19.9 -101.5,19.4 -101.5,16.2 -102.1,15.6 -104.5,15.6 -105.3,16.4
AUX on Bottom Layer "NONET_L-01_P-001" (solid, pour order 13): -98.644,15.994 -98.5,15.85 -97.25,15.85 -97,16.1 -97,16.85 -96.5,17.35 -94.25,17.35 -93.75,16.85 -93.75,15.6 -93.5,15.35 -91.5,15.35 -91.25,15.6 -91.25,23.35 -91.75,23.85 -98.25,23.85 -98.644,23.456
NetQ8_2 on Bottom Layer "NONET_L-01_P-001" (solid, pour order 11): -28.844,10.965 -30.147,10.965 -30.247,10.865 -30.247,7.465 -28.947,7.465 -28.85,7.562
BAT2_NEG on Bottom Layer "NONET_L-01_P-001" (solid, pour order 9): -12.825,12.4 -31.85,12.4 -31.85,15.9 -12.825,15.9
BAT1_NEG on Bottom Layer "NONET_L-01_P-001" (solid, pour order 8): -85.175,-3.2 -42.635,-3.2 -42.635,-6.7 -85.175,-6.7
BAT2_POS on Bottom Layer "NONET_L-01_P-001" (solid, pour order 5): -78.111,15.9 -35.856,15.9 -35.856,12.311 -73.848,12.311 -78.111,12.311
NetQ5_2 on Bottom Layer "NONET_L-01_P-001" (solid, pour order 4): -40.097,-5.8 -41.4,-5.8 -41.5,-5.9 -41.5,-9.3 -40.2,-9.3 -40.103,-9.203
NetBH1_P1 on Bottom Layer "NONET_L-01_P-001" (solid, pour order 1): -12.825,-6.7 -18.111,-6.7 -18.111,-3.2 -12.825,-3.2
NetBH1_P2 on Bottom Layer "NONET_L-01_P-001" (solid, pour order 0): -85.175,15.9 -79.889,15.9 -79.889,12.4 -85.175,12.4
VCC_USB on Top Layer "NONET_L-01_P-001" (solid, pour order 20): -109.151,-5.049 -108.725,-5.475 -108.425,-5.475 -108,-5.9 -108,-6.4 -107.8,-6.6 -106,-6.6 -106,-1.2 -106.1,-1.1 -108.5,-1.1 -109.151,-1.751 -109.965,-1.751 -109.965,-2.049 -108.351,-2.049 -107.9,-2.5 -107.9,-4.098 -108.226,-4.425 -108.302,-4.5 -108.9,-4.5 -109.151,-4.751 -109.965,-4.751 -109.965,-5.049
GND_USB on Top Layer "NONET_L-01_P-001" (solid, pour order 22): -103.4,1.8 -103.2,1.6 -103.2,0.3 -103.3,0.2 -108.1,0.2 -108.849,-0.549 -110.315,-0.549 -110.565,-0.799 -111.265,-0.799 -111.265,1.635 -111.1,1.8
GND_USB on Top Layer "NONET_L-01_P-001" (solid, pour order 21): -111.3,-6.001 -110.565,-6.001 -110.315,-6.251 -108.849,-6.251 -108.5,-6.6 -108.5,-7.4 -108.1,-7.8 -106.2,-7.8 -106,-8 -106,-9.3 -106.2,-9.5 -111.1,-9.5 -111.3,-9.3
NetD7_A on Top Layer "NONET_L-01_P-001" (solid, pour order 19): -93.8,2.7 -94,2.5 -94,-1.6 -93.835,-1.765 -90.935,-1.765 -90.1,-2.6 -88.8,-2.6 -88.6,-2.4 -88.6,2.4 -88.9,2.7
NetQ2_3 on Top Layer "NONET_L-01_P-001" (solid, pour order 18): -100.1,-0.4 -99.9,-0.2 -96,-0.2 -95.9,-0.3 -95.9,-1.9 -96.162,-2.162 -100.1,-2.162
NetC14_2 on Top Layer "NONET_L-01_P-001" (solid, pour order 17): -100.9,-2.162 -100.9,-0.4 -101.1,-0.2 -104.7,-0.2 -104.9,-0.4 -104.9,-4.9 -104.7,-5.1 -103.1,-5.1 -102.9,-4.9 -102.9,-2.6 -102.462,-2.162
VSUM on Top Layer "NONET_L-01_P-001" (solid, pour order 16): -91.5,11.6 -96,11.6 -96.25,11.35 -96.25,4.85 -96,4.6 -91.5,4.6 -91.25,4.85 -91.25,11.35
GND_USB on Layer 2 "GND_USB_L2" (solid, pour order 30): 0.3,-4.5 -1,-4.5 -1,31 -117,31 -117,-22 0.3,-22
SGND on Layer 2 "SGND_L2" (solid, pour order 34): 29,-9 28,-8 28,-5 41.3,-5 41.3,10 26.25,10 26.25,15 41.3,15 41.3,31 2.7,31 2.7,-4.5 1.4,-4.5 1.4,-22 41.3,-22 41.3,-9
GND_USB on Layer 1 "GND_USB_L1" (solid, pour order 31): 0.3,-4.5 -1,-4.5 -1,31 -117,31 -117,-22 0.3,-22
SGND on Layer 1 "SGND_L1" (solid, pour order 35): 29,-9 28,-8 28,-5 41.3,-5 41.3,10 26.25,10 26.25,15 41.3,15 41.3,31 2.7,31 2.7,-4.5 1.4,-4.5 1.4,-22 41.3,-22 41.3,-9

## Silkscreen, mask and mechanical layers (free items; w line width, h text height)
Top Overlay:
  lines w0.4: -115.365,31 41.3,31 41.3,15.225 cw(c41.2,15.225) 41.2,15.125 26.26,15.125 26.26,9.875 41.3,9.875 41.3,-19.9 41.3,-20.73 cw(c40.03,-20.73) 40.03,-22 40,-22 -115.73,-22 cw(c-115.73,-20.73) -117,-20.73 -117,29 -117,29.73 cw(c-115.73,29.73) -115.73,31 -115,31
  text "Power Rail Probe - v 1.0" at -71,25.5 h4
Bottom Overlay:
  lines w0.4: -115.365,31 41.3,31 41.3,15.225 ; -115,31 -115.73,31 ccw(c-115.73,29.73) -117,29.73 -117,29 -117,-20.73 ccw(c-115.73,-20.73) -115.73,-22 40,-22 40.03,-22 ccw(c40.03,-20.73) 41.3,-20.73 41.3,-19.9 41.3,9.875 26.26,9.875 26.26,15.125 41.2,15.125
Top Solder:
  rectangle: 4.5,1 28,24
  lines w1.6: 19.5,16.686 19.5,18.5 19.5,21 ; 21.5,10.814 21.416,10.814 ccw(c21.416,8.274) 19.62,10.07 19.5,9.951 19.5,8 19.5,4 ; 27,2.5 21,2.5 cw(c21,4) 19.5,4 ; 27,22.5 21,22.5 ccw(c21,21) 19.5,21 ; 19.5,4 19.5,4 ; 19.5,21 19.5,21
Board:
  lines w0.2: 42,9.75 42,10 ccw(c41.25,10) 41.25,10.75 36.5,10.75 27.75,10.75 cw(c27.75,11.5) 27,11.5 27,13.5 cw(c27.75,13.5) 27.75,14.25 ; 42,9.875 42,-21 42,-21.73 cw(c40.73,-21.73) 40.73,-23 40,-23 -61,-23 -116,-23 -116.73,-23 cw(c-116.73,-21.73) -118,-21.73 -118,-21 -118,30 -118,30.73 cw(c-116.73,30.73) -116.73,32 -116,32 40,32 40.73,32 cw(c40.73,30.73) 42,30.73 42,30 42,15 cw(c41.25,15) 41.25,14.25 37.25,14.25 27.75,14.25 ; 27.75,14.25 27.75,14.25
Route Tool Path:
  lines w1.5: 0.75,2.5 0.75,22.5

## Text inside footprints (layer, text, board x,y; h text height)
BH1: Bottom Overlay "B-" at -19.563,13.796 h0.8 r180; Bottom Overlay "B+" at -12.337,-2.246 h0.8; Bottom Overlay "B2+" at -84.254,17.004 h0.8; Bottom Overlay "B1-" at -84.504,-2.246 h0.8